# Altium PCB SI24R1遥控器.PcbDoc
Units mil, origin at the board's own origin, x right, y up, seen from the top; angles counter-clockwise.
Board outline 3937 x 3344.8 mil, 2 copper layers (Top Layer, Bottom Layer); 46 components, 39 nets, 207 pads, 29 vias.
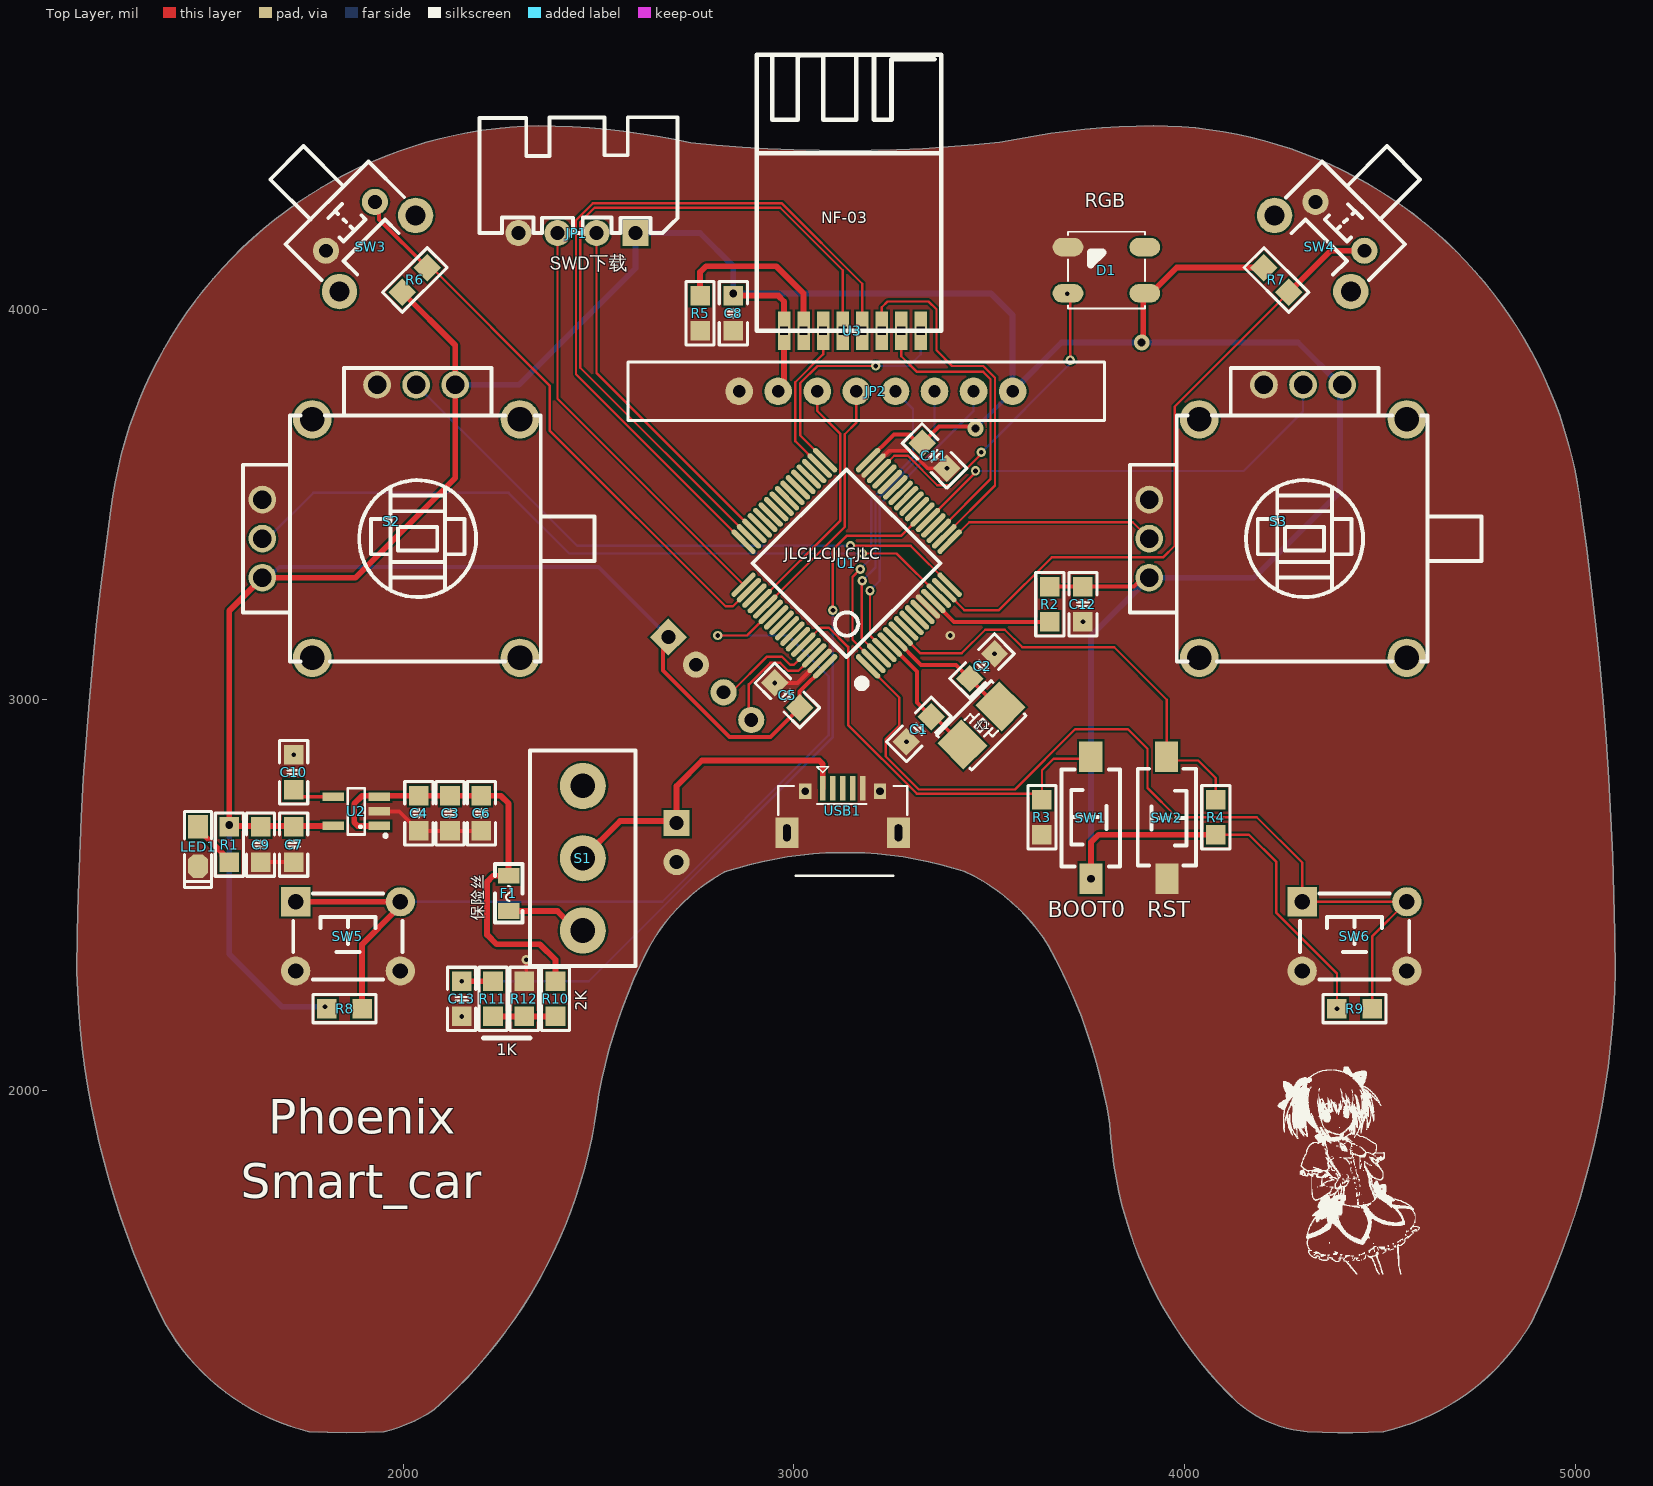
[diagram p0: Top Layer view]
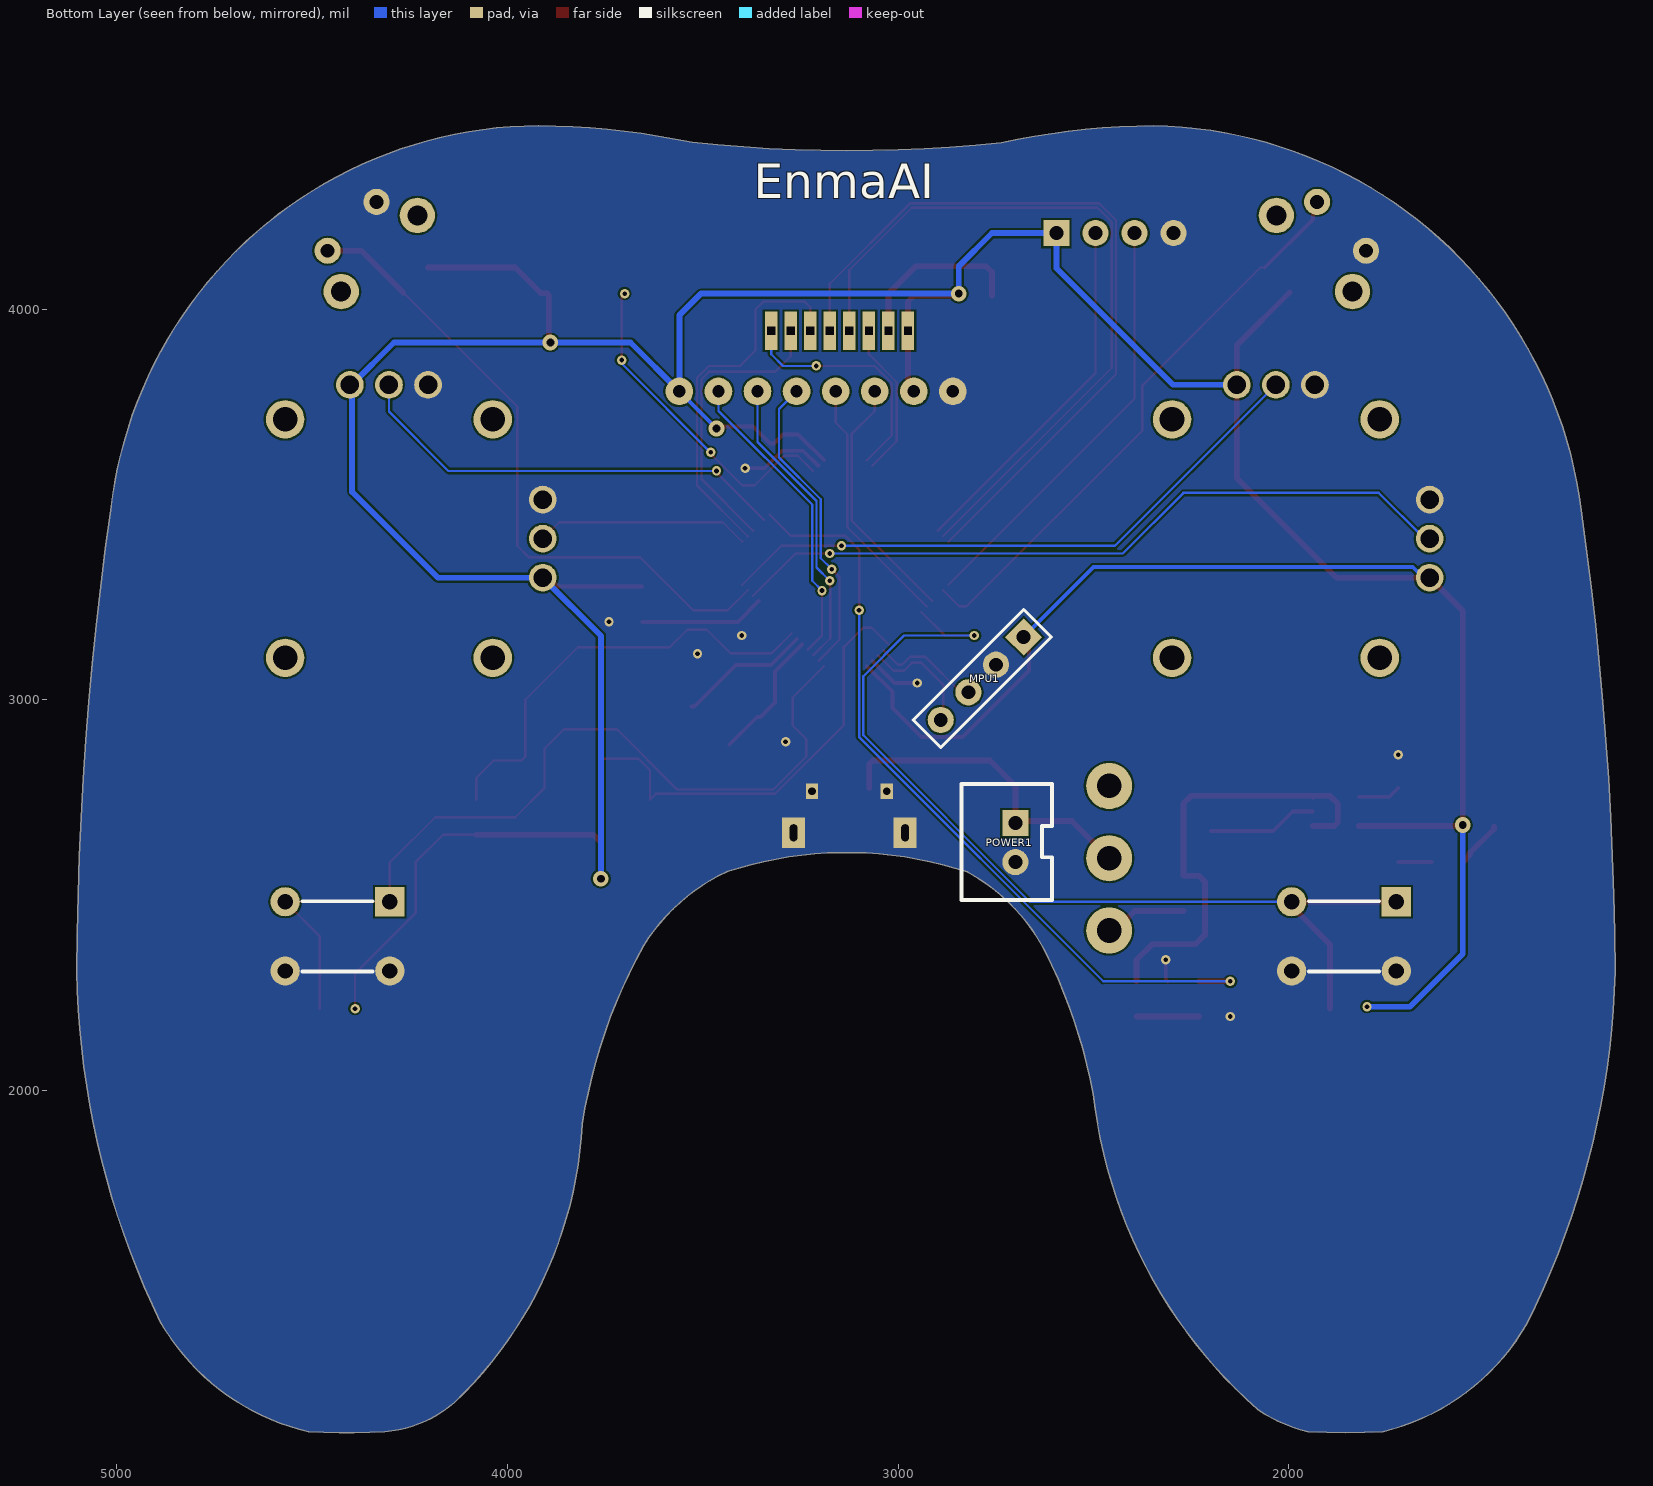
[diagram p1: Bottom Layer view, seen from below]

## Layer stack, top to bottom
Top Solder: solder mask 0.4, Solder Resist, Dk 3.5
Top Layer: signal copper 1.4
Dielectric 1: dielectric 12.6, FR-4, Dk 4.8
Bottom Layer: signal copper 1.4
Bottom Solder: solder mask 0.4, Solder Resist, Dk 3.5

## Board outline
1391.35,1403.01 ccw(c1896.05,1692.9) 1758.26,1127.42 ccw(c1854.72,3093.56) 1951.17,1127.42 ccw(c1858.16,1512.49) 2080.33,1184.51 ccw(c1244.42,2133.09) 2489.78,1914.82 cw(c3809.86,1754.87) 2623.64,2355.76 cw(c3053.63,2134.86) 2824.42,2560.49 2822.89,2560.01 cw(c3131.51,1625.39) 3440.13,2560.01 3438.6,2560.49 cw(c3223.76,2104.73) 3651.2,2371.51 cw(c2447.28,1700.87) 3808.68,1914.82 ccw(c4866.07,1968.48) 4135.45,1202.22 ccw(c4338.85,1437.13) 4313.68,1127.42 ccw(c4411.21,3093.5) 4508.75,1127.42 ccw(c4376.69,1703.01) 4888.5,1408.39 ccw(c2976.27,2337.47) 5102,2304.49 5101.99,2304.49 ccw(c-3410.85,2274.06) 5015.39,3485.6 ccw(c3915.01,3362.63) 3920.9,4469.85 ccw(c3935.61,2507.77) 3527.2,4426.93 cw(c3130.23,8185.49) 2736.09,4426.63 ccw(c2324.92,2497.47) 2346.1,4469.85 ccw(c2365.85,3347.23) 1251.61,3485.59 1251.61,3485.6 ccw(c9946.59,2254.27) 1165,2304.5 1165,2304.49 ccw(c3290.29,2358.97)

## Design rules (kind name [scope] priority, off if disabled: settings)
Clearance [All] p1: gap=5 ignorepadtopadclearanceinfootprint=FALSE
Height [All] p1: minheight=0 maxheight=10000 prefheight=500
HoleSize [All] p1: absolutevalues=TRUE maxlimit=1000 minlimit=1 maxpercent=80.000 minpercent=20.000
HoleToHoleClearance [All] p1: gap=0 allowstackedmicrovias=TRUE
MinimumSolderMaskSliver [All] p1: minsoldermaskwidth=0
PlaneConnect [All] p1: planeconnectstyle=Direct reliefexpansion=20 reliefentries=4 reliefconductorwidth=10 reliefairgap=10
PolygonConnect [All] p1: connectstyle=Direct reliefconductorwidth=10 reliefentries=4 polygonreliefangle="90 Angle" airgapwidth=10
RoutingVias [All] p1: holewidth=12 width=24 viastyle="Through Hole" minholewidth=12 minwidth=24 maxholewidth=50 maxwidth=100
SilkToSilkClearance [All] p1: silktosilkclearance=0
SolderMaskExpansion [All] p1: expansion=4
Width [All] p1: maxlimit=100 minlimit=6 preferedwidth=6
24 further rules are at their usual default settings.

## Components (designator, comment, footprint, x,y, rotation, side; value= is the part's Value field where it differs from the comment)
C1 "18pF" "C 0805_M" 3320,2925 r45 top
C2 "18pF" "C 0805_M" 3481.82,3086.82 r225 top
C3 "100uF" "C 0805_M" 2120,2710 r90 top
C4 "100uF" "C 0805_M" 2040,2710 r90 top
C5 "0.1uF" "C 0805_M" 2983.18,3011.82 r315 top
C6 "22uF" "C 0805_M" 2200,2710 r90 top
C7 "22uF" "C 0805_M" 1720,2630 r90 top
C8 "10uF" "C 0805_M" 2845,3990 r90 top
C9 "10uF" "C 0805_M" 1635,2630 r90 top
C10 "0.1uF" "C 0805_M" 1720,2815 r270 top
C11 "0.1uF" "C 0805_M" 3360,3625 r135 top
C12 "0.1uF" "C 0805_M" 3740,3245 r90 top
C13 "0.1uF" "C 0805_M" 2150,2235 r90 top
D1 "P923D" RGB_LED_5050 3800,4100 r270 top
F1 "1A" "FU 0805" 2270,2505 r90 top
JP1 "HDR-1X4" XH2.54-WI-4P 2445,4195 r180 top
JP2 "HDR-1X8" IPS 2960,3785 r0 top
LED1 "蓝色" "LED 0805B" 1475,2625 r270 top
MPU1 "HDR-1X4" HDR2.54-LI-4P 2785,3055 r315 bottom
POWER1 "" XH2.54-LI-2P 2700,2635 r270 bottom
R1 "Res2" "R 0805_M" 1555,2630 r90 top
R2 "0" "R 0805_M" 3655,3245 r90 top
R3 "10K" "R 0805_M" 3635,2700 r270 top
R4 "10K" "R 0805_M" 4080,2700 r90 top
R5 "0" "R 0805_M" 2760,3990 r270 top
R6 "10K" "R 0805_M" 2030,4075 r45 top
R7 "10K" "R 0805_M" 4235,4075 r315 top
R8 "10K" "R 0805_M" 1850,2210 r0 top
R9 "10K" "R 0805_M" 4435,2210 r0 top
R10 "Res2" "R 0805_M" 2390,2235 r90 top
R11 "Res2" "R 0805_M" 2230,2235 r270 top
R12 "Res2" "R 0805_M" 2310,2235 r270 top
S1 "SS-12F23" SS-12D10 2460,2595.04 r90 top
S2 "摇杆" 3D161摇杆 2045,3440 r180 top
S3 "摇杆" 3D161摇杆 4315,3440 r180 top
SW1 "3x6x5" "TSW SMD-3*6*2.5" 3760,2700 r90 top
SW2 "3x6x5" "TSW SMD-3*6*2.5" 3955,2697.69 r270 top
SW3 "6x6x5" "TSW DIP-6*6*7_V" 1865,4212.37 r225 top
SW4 "6x6x5" "TSW DIP-6*6*7_V" 4397.64,4212.36 r135 top
SW5 "6x6x5" "TSW DIP-6*6*6" 1858.86,2395 r0 top
SW6 "6x6x5" "TSW DIP-6*6*6" 4435,2395 r0 top
U1 "MM32SPIN27PS" "LQFP64 10x10_M" 3135,3350 r45 top
U2 "MIC5219" SOT23-5M 1880,2715 r90 top
U3 "NF-03" NF-03 2970,3995 r0 top
USB1 "USB-5P" USB-MICRO_A 3125,2660 r0 top
X1 "8MHz" "OSC 5032-2P" 3480,2935 r45 top

## Footprints (in the part's own frame and the unit in brackets; to place one, negate y for a bottom-side part, rotate by r counter-clockwise, add the part's x,y. Pads: shape width x height; smd on the part's side, far side on the other; paste and mask are expansions set on the pad)
3D161摇杆 [mm]
  round 1.8 hole 1.2: 1(10.298,3.226) 2(10.298,0.686) 3(10.298,-1.854) 4(2.838,-9.314) 5(0.298,-9.314) 6(-2.242,-9.314)
  round 2.5 hole 1.6 unplated: ""(-6.453,8.436) ""(-6.453,-7.063) ""(7.048,8.436) ""(7.048,-7.063)
  silkscreen extent -11.3,-10.41 11.56,8.69
"C 0805_M" [mil] "无极性贴片电容                                         淘宝ID:黄晶宝石"
  rect 50x50 smd: 1(-45,0) 2(45,0)
  silkscreen extent -81,-36 81,36, body extent -39,-24 39,24, height 20
"FU 0805" [mil] "贴片保险丝"
  rect 40x55 smd: 1(-45,0) 2(45,0)
  silkscreen extent -75,-35 75,35, body extent -39,-24 39,24, height 20
HDR2.54-LI-4P [mm] "排针，4脚"
  rect 1.7x1.7 hole 0.9: 1(-3.81,0)
  round 1.7 hole 0.9: 2(-1.27,0) 3(1.27,0) 4(3.81,0)
  silkscreen extent -5.08,-1.27 5.08,1.27, body extent -5.08,-1.27 5.08,1.27, height 8.5
IPS [mm]
  round 1.8 hole 0.8: 1(-2.54,0.127) 2(0,0.127) 3(2.54,0.127) 4(5.08,0.127) 5(7.62,0.127) 6(10.16,0.127) 7(12.7,0.127) 8(15.24,0.127)
  silkscreen extent -9.78,-1.78 21.21,2.05
"LED 0805B" [mil] "蓝色0805LED                                    淘宝ID:黄晶宝石"
  rect 60x50 smd: 1(-50,0)
  oct 60x50 smd: 2(50,0)
  silkscreen extent -90,-35 105,35, body extent -39,-25 39,25, height 32
"LQFP64 10x10_M" [mm] "64脚，体宽10x10mm，脚距0.5mm         淘宝ID:黄晶宝石"
  oval 0.35x2.1 smd: 1(-3.75,-5.727) 2(-3.25,-5.727) 3(-2.75,-5.727) 4(-2.25,-5.727) 5(-1.75,-5.727) 6(-1.25,-5.727) 7(-0.75,-5.727) 8(-0.25,-5.727) 9(0.25,-5.727) 10(0.75,-5.727) 11(1.25,-5.727) 12(1.75,-5.727) 13(2.25,-5.727) 14(2.75,-5.727) 15(3.25,-5.727) 16(3.75,-5.727) 33(3.75,5.727) 34(3.25,5.727) 35(2.75,5.727) 36(2.25,5.727) 37(1.75,5.727) 38(1.25,5.727) 39(0.75,5.727) 40(0.25,5.727) 41(-0.25,5.727) 42(-0.75,5.727) 43(-1.25,5.727) 44(-1.75,5.727) 45(-2.25,5.727) 46(-2.75,5.727) 47(-3.25,5.727) 48(-3.75,5.727)
  oval 2.1x0.35 smd: 17(5.727,-3.75) 18(5.727,-3.25) 19(5.727,-2.75) 20(5.727,-2.25) 21(5.727,-1.75) 22(5.727,-1.25) 23(5.727,-0.75) 24(5.727,-0.25) 25(5.727,0.25) 26(5.727,0.75) 27(5.727,1.25) 28(5.727,1.75) 29(5.727,2.25) 30(5.727,2.75) 31(5.727,3.25) 32(5.727,3.75) 49(-5.727,3.75) 50(-5.727,3.25) 51(-5.727,2.75) 52(-5.727,2.25) 53(-5.727,1.75) 54(-5.727,1.25) 55(-5.727,0.75) 56(-5.727,0.25) 57(-5.727,-0.25) 58(-5.727,-0.75) 59(-5.727,-1.25) 60(-5.727,-1.75) 61(-5.727,-2.25) 62(-5.727,-2.75) 63(-5.727,-3.25) 64(-5.727,-3.75)
  silkscreen extent -5.08,-6.47 4.32,4.32, body extent -6,-6 6,6, height 1.45
NF-03 [mm]
  rect 0.813x2.5 hole 0.5 square: 1(0.127,-1.27) 2(1.397,-1.27) 3(2.667,-1.27) 4(3.937,-1.27) 5(5.207,-1.27) 6(6.477,-1.27) 7(7.747,-1.27) 8(9.017,-1.27)
  silkscreen extent -1.65,-1.27 10.35,16.66
"OSC 5032-2P" [mm] "5mm*3.2mm*0.8mm(长*宽*高)                  淘宝ID:黄晶宝石"
  rect 2.2x2.4 smd: 1(-1.75,0) 2(1.75,0)
  silkscreen extent -2.5,-1.6 2.5,1.6, body extent -2.5,-1.6 2.5,1.6, height 0.86
"R 0805_M" [mil] "1/8W贴片电阻"
  rect 50x50 smd: 1(-45,0) 2(45,0)
  silkscreen extent -81,-36 81,36, body extent -39,-25 39,25, height 20
RGB_LED_5050 [mm]
  oval 1.2x2 smd: 1(-1.5,-2.5) 2(1.5,-2.5) 3(1.5,2.5) 4(-1.5,2.5)
  silkscreen extent -2.5,-2.5 2.5,2.5, body extent -2.5,-2.7 2.5,2.7, height 1.55
SOT23-5M [mm] "3x1.6x1.1mm(长宽高) 封装库来自淘宝卖家 ID：黄晶宝石"
  rect 0.55x1.4 smd: 1(-0.95,-1.5) 2(0,-1.5) 3(0.95,-1.5) 4(0.95,1.5) 5(-0.95,1.5)
  silkscreen extent -1.66,-1.98 1.5,0.56, body extent -1.5,-1.4 1.5,1.4, height 1.15
SS-12D10 [mm] "脚距3mm      淘宝ID:黄晶宝石"
  round 3 hole 1.6: 1(-4.7,0) 2(0,0) 3(4.7,0)
  silkscreen extent -7,-3.43 7,3.43, body extent -7,-3.1 7,3.1, height 9.65
"TSW DIP-6*6*6" [mm] "6*6*6mm"
  rect 1.9x1.9 hole 1: 1(-3.4,2.25)
  round 1.9 hole 1: 2(-3.4,-2.25) 3(3.4,-2.25) 4(3.4,2.25)
  silkscreen extent -3.56,-2.79 3.56,2.79, body extent -4.11,-3 4.11,3, height 5.95
"TSW DIP-6*6*7_V" [mm] "侧按轻触开关 6*6*7mm           淘宝ID:黄晶宝石"
  round 2.3 hole 1.3: 0(-3.5,2.5) 0(3.5,2.5)
  round 1.7 hole 0.9: 1(-2.25,0) 2(2.25,0)
  silkscreen extent -3.81,-5.84 3.81,2.54, body extent -4.18,-5.72 4.18,4.13, height 7.47
"TSW SMD-3*6*2.5" [mm] "3*6*2.5mm"
  rect 2x1.5 smd: 1(-3.996,-0.02) 2(3.937,0)
  silkscreen extent -3.21,-1.9 3.09,1.9, body extent -4,-1.88 4,1.62, height 2.59
USB-MICRO_A [mm] "micro型USB ，5.7*7.8*2.5mm"
  rect 0.35x1.6 smd: 1(-1.3,2.9) 2(-0.65,2.9) 3(0,2.9) 4(0.65,2.9) 5(1.3,2.9)
  rect 1.5x2 hole 0.5 slot 1.1 at 90 deg: 5(-3.625,0) 5(3.625,0)
  rect 0.8x1 hole 0.5: 5(-2.425,2.71) 5(2.425,2.71)
  silkscreen extent -4.19,-2.79 4.19,4.3, body extent -4,-2.71 4,2.89, height 2.8
XH2.54-LI-2P [mm] "接插件，2P  淘宝ID:黄晶宝石   店铺网址:https://shop463601444.taobao.com"
  rect 1.7x1.7 hole 0.9: 1(-1.27,0)
  round 1.7 hole 0.9: 2(1.27,0)
  silkscreen extent -3.81,-3.51 3.74,2.37, body extent -3.77,-3.3 3.77,2.4, height 7.05
XH2.54-WI-4P [mm] "接插件，4P"
  rect 1.7x1.7 hole 0.9: 1(-3.81,0)
  round 1.7 hole 0.9: 2(-1.27,0) 3(1.27,0) 4(3.81,0)
  silkscreen extent -6.53,-7.53 6.35,0, body extent -6.31,-7.35 6.31,0.35, height 5.73

## Part data
C1 C2 C3 C4 C5 C6 C7 C8 C9 C10 C11 C12 C13: library part C, "贴片电容"
F1: library part FU, "贴片保险丝"
JP1 MPU1: library part "Header 4", "4P接插件"
JP2: library part "Header 8", "8P接插件", BOM名称=8P接, 学习资源=https://shop463601444.taobao., 版权归属=封装库来自淘
LED1: library part LED-SMD, "贴片LED"
POWER1: library part T槽
R1 R10 R11 R12: "Resistor"
R2 R3 R4 R5 R6 R7 R8 R9: library part RES, =0R
S1: library part SSW-1P, "1路波动开关"
SW1 SW2: library part "TSW 3x6", "3x6轻触开关"
SW3 SW4: library part "TSW DIP-6x6_V", "侧按直插6x6轻触开关"
SW5 SW6: library part "TSW DIP-6x6", "直插6x6轻触开关"
USB1: "微型USB母座"
X1: library part XTAL-2P, "2脚无源脚晶振"
D1: PackageReference=RGB_LED_5050, Published=8-August-2017, Publisher=mazhongwei

## Via types
v1: diameter 24, hole 12, Top Layer to Bottom Layer, tented both sides, 24 vias
v2: diameter 40, hole 20, Top Layer to Bottom Layer, tented both sides, 5 vias

## Nets (pads, with @x,y where several pads share a name; then routed paths per layer and width w, separated by ;. In a path a pad name is that pad's centre, name@x,y a point inside that pad or via, vN(x,y) a via of type N, cw(c..) or ccw(c..) an arc to the next point about the centre after c; other vN are vias at no path point)
ADC_IN1: S2.2 U1.14 | length 1888.8
  Top Layer w6: v1(3175,3375) 3263.11,3375 U1.14
  Bottom Layer w6: S2.2 1652.99,3412.99 1770,3530 2270,3530 2425,3375 v1(3175,3375)
ADC_IN2: S2.5 U1.16 | length 1577.5
  Top Layer w6: v1(3145,3395) 3298.79,3395 U1.16
  Bottom Layer w6: S2.5 2444.97,3395 v1(3145,3395)
ADC_IN3: S3.2 U1.17 | length 548.8
  Top Layer w6: U1.17 3448.79,3455 3867.56,3455 S3.2
ADC_IN4: S3.5 U1.21 | length 1149.4
  Top Layer w6: U1.21 3465,3582.56 v1(3465,3586.28) v1@3465,3590
  Bottom Layer w6: v1(3465,3586.28) 4151.28,3586.28 4303.27,3738.27 S3.5
BOOT0: R3.1 SW1.2 U1.60 | length 1142.5
  Top Layer w6: U1.60 3067.44,3185 3090,3185 3139,3136 3139,2936 3315,2760 3620,2760 R3.1 3635,2820 3665,2850 3755,2850 SW1.2
GND: C1.1 C2.1 C3.1 C4.1 C5.1 C6.1 C7.1 C8.1 C9.1 C10.1 C11.1 C12.1 C13.1 D1.1 JP1.4 JP2.1 LED1.2 MPU1.2 POWER1.2 R3.2 R5.2 R12.1 S2.3 S2.4 S3.3 S3.4 SW2.2 SW3.2 SW4.2 SW5.2 SW5.3 SW6.2 SW6.3 U1.12 U1.31 U1.63 U2.2 USB1.5 | length 784
  Top Layer w10: C9.1 C7.1 ; U2.2 1990,2715 C4.1 C6.1 ; R12.1 2315,2285 v1(2315,2335) ; v1(2951.36,3043.64) 3009.59,3043.64 U1.63 ; U1.31 3204.98,3599.91 3243.07,3638 3297.5,3638 3342.32,3593.18 v1(3391.82,3593.18)
  other v1: 2150,2190 1720,2860 3288.18,2893.18 3513.64,3118.64 3400,3165 3740,3200
KEY1: R6.2 SW3.1 U1.50 | length 1490.5
  Top Layer w6: R6.2 2073.18,4106.82 2375,3805 2375,3690 2825,3240 2844.05,3240 U1.50
  Top Layer w10: SW3.1 1938.53,4264.12 1938.53,4230.11 R6.2
KEY2: R7.2 SW4.1 U1.15 | length 1686.2
  Top Layer w6: U1.15 3435.95,3230 3525,3230 3660,3365 3945,3365 3975,3395 3975,3751.36 R7.2
  Top Layer w15: R7.2 4373.36,4149.73 SW4.1
KEY3: R8.2 SW5.1 SW5.4 U1.54 | length 2493.8
  Top Layer w6: v1(2805,3165) 2880.4,3165 U1.54
  Top Layer w15: SW5.1 SW5.4 1981.27,2472.14 1981.27,2461.27 1895,2375 R8.2
  Bottom Layer w6: SW5.4 2663.03,2483.58 3089,2909.56 3089,3061 2985,3165 v1(2805,3165)
KEY4: R9.2 SW6.1 SW6.4 U1.1 | length 2321.5
  Top Layer w6: U1.1 3270,3006.21 3270,2935 3235,2900 3235,2855.56 3319.56,2771 3566,2771 3720,2925 3855,2925 3905,2875 3905,2775 3980,2700 4185,2700 4301.14,2583.86 SW6.1 SW6.4 4480,2394.72 R9.2
M3V3: C5.2 C7.2 C8.2 C9.2 C11.2 C12.2 D1.3 JP1.1 JP2.2 JP2.8 MPU1.1 R1.2 R2.2 R4.1 R6.1 R7.1 R8.1 R9.1 S2.1 S2.6 S3.1 S3.6 SW1.1 U1.32 U1.64 U2.5 U3.1 | length 11698.6
  Top Layer w6: R4.1 4165,2655 4235,2585 4235,2455 4390,2300 v1(4390,2210)
  Top Layer w10: MPU1.1 2665,3147.13 2665,3075 2835,2905 2940,2905 C5.2 3015,3021.21 U1.64 ; U1.32 3256.21,3680 3295,3680 3318.18,3656.82 C11.2 3371.36,3700 v2@3465,3700 ; R2.2 C12.2 3870.11,3290 3893.1,3312.99 S3.1
  Top Layer w15: U2.5 1557.6,2677.6 R1.2 1555,3228.42 S2.1 1877.99,3312.99 2133.27,3568.27 S2.6 2133.27,3908.09 R6.1 ; C8.2 2960,4035 2975,4020 U3.1 2975,3805 JP2.2 ; v2(3760.79,2542.69) 3760.79,2635.79 3780,2655 R4.1 ; v2(3890,3915) 3894.21,3919.21 3894.21,4036.73 D1.3 3914.17,4040.94 3980.05,4106.82 R7.1
  Bottom Layer w10: S2.1 1656.04,3312.99 1683.05,3340 2500,3340 MPU1.1 ; v2(3465,3695) JP2.8
  Bottom Layer w15: v2(1555,2680) 1555,2350 1690,2215 v1(1800,2215) ; S2.6 2296.69,3806.69 2595,4105 JP1.1 2760,4195 2845,4110 v2(2845,4040) 3505,4040 3560,3985 JP2.8 3685,3915 v2(3890,3915) 4290.25,3915 4398.56,3806.69 S3.6 4397.5,3800.92 4397.5,3532.5 4177.99,3312.99 S3.1 3760.79,3164.21 v2(3760.79,2542.69)
NetC10_2: C10.2 U2.4 | length 110.3
  Top Layer w10: C10.2@1720,2775 1742.6,2752.4 U2.4
NetF1_1: F1.1 S1.1 | length 210.7
  Top Layer w15: F1.1 2394.66,2460 2444.66,2410 S1.1
NetLED1_1: LED1.1 R1.1 | length 123.1
  Top Layer w15: LED1.1 1475,2670 1537.5,2607.5 1537.5,2602.5 R1.1
NetR2_1: R2.1 U1.13 | length 320
  Top Layer w10: U1.13 3410.27,3200 R2.1
NetR5_1: R5.1 U3.2 | length 455.2
  Top Layer w15: R5.1 2760,4095 2775,4110 2955,4110 3025,4040 U3.2
NetR10_1: R10.1 R11.2 R12.2 | length 160
  Top Layer w15: R11.2 R10.1
NF_CE: U1.34 U3.3 | length 400.7
  Top Layer w6: U1.34 3003.43,3662.52 3003.43,3813.43 3075,3885 U3.3
NF_CS: U1.47 U3.4 | length 1891.2
  Top Layer w6: U1.47 2453.54,3850.51 2453.54,4223.54 2490,4260 2965,4260 3125,4100 U3.4
NF_IRQ: U1.33 U3.8 | length 622.5
  Top Layer w6: U1.33 3016.57,3677.22 3016.57,3811.01 3060.56,3855 v1(3210,3855)
  Bottom Layer w6: v1(3210,3855) 3295,3855 3325,3885 U3.8
NF_SCL: U1.48 U3.5 | length 1956.5
  Top Layer w6: U1.48 2442.54,3833.67 2442.54,4228.09 2485.44,4271 2969.56,4271 3175,4065.56 U3.5
NF_SDI: U1.18 U3.6 | length 958.4
  Top Layer w6: U3.6 3225,4005 3240,4020 3345,4020 3365,4000 3365,3895 3405,3855 3485,3855 3515,3825 3515,3549.05 U1.18
NF_SDO: U1.19 U3.7 | length 760.9
  Top Layer w6: U3.7 3275,3880 3315.28,3839.72 3484.72,3839.72 3503.43,3821.01 3503.43,3565.32 U1.19
nRST: R4.2 SW2.1 U1.7 | length 1149.7
  Top Layer w6: U1.7 3323.24,3120 3430,3120 3490,3180 3540,3180 3585,3135 3820,3135 3954.21,3000.79 SW2.1 3964.21,2845 4035,2845 4080,2800 R4.2
OLED_CS: JP2.7 U1.4 | length 787.1
  Top Layer w6: v1(3195,3280) 3195,3164.73 U1.4
  Bottom Layer w6: v1(3195,3280) 3220,3305 3220,3500 3460,3740 JP2.7
OLED_DC: JP2.6 U1.3 | length 771.2
  Top Layer w6: v1(3175,3305) 3174,3304 3174,3157.89 U1.3
  Bottom Layer w6: v1(3175,3305) 3209,3339 3209,3509 3360,3660 JP2.6
OLED_RES: JP2.5 U1.2 | length 795.1
  Top Layer w6: v1(3170,3335) 3150,3315 3150,3154.05 U1.2
  Bottom Layer w6: v1(3170,3335) 3198,3363 3198,3513.56 3305,3620.56 3305,3745 JP2.5
OLED_SCL: JP2.3 U1.52 | length 646.8
  Top Layer w6: U1.52 3119.21,3459.49 3119.21,3680.79 3060,3740 JP2.3
OLED_SDA: JP2.4 U1.53 | length 647.3
  Top Layer w6: U1.53 3130.21,3442.65 3130.21,3680.21 3160,3710 JP2.4
OSC_IN: C1.2 U1.5 X1.1 | length 337.7
  Top Layer w10: U1.5 3315,3072.56 3315,2993.64 C1.2 3360.74,2956.82 X1.1
OSC_OUT: C2.2 U1.6 X1.2 | length 340.3
  Top Layer w10: U1.6 3325.4,3090 3415,3090 C2.2 3521.28,2983.72 X1.2
POWER_IN: C13.2 R11.1 U1.22 | length 2035.2
  Top Layer w6: v1(3100,3230) 3100,3385 3135,3420 3274.6,3420 U1.22
  Top Layer w15: v1(2150,2280) R11.1
  Bottom Layer w6: v1(2150,2280) 2475,2280 3100,2905 v1(3100,3230)
RGBLED: D1.2 U1.30 | length 852.5
  Top Layer w6: U1.30 3256.89,3625 3292.12,3625 3367.29,3549.82 3399.82,3549.82 3480,3630 v1(3480,3633.75) ; v1(3700,4040) 3707.5,4032.5 v1(3707.5,3870)
  Bottom Layer w6: v1(3480,3633.75) 3707.5,3861.25 v1(3707.5,3870) v1@3710,3870
SCL: MPU1.3 U1.61 | length 280.1
  Top Layer w6: MPU1.3 2839.64,3019.64 2931,3111 2969,3111 2990,3090 3000.27,3090 U1.61
SDA: MPU1.4 U1.62 | length 307.9
  Top Layer w6: MPU1.4 2885,2955 2885,3040 2940,3095 2965,3095 2985,3075 3011.94,3075 3050.95,3114.01 U1.62
SWCLK: JP1.3 U1.49 | length 1097.3
  Top Layer w6: JP1.3 2395,3771.13 U1.49
SWDIO: JP1.2 U1.46 | length 929.5
  Top Layer w6: JP1.2 2495,3836.89 U1.46
VCC: POWER1.1 S1.2 USB1.1 | length 842.8
  Top Layer w15: S1.2 2554.96,2690 2695,2690 POWER1.1 2700,2780 2765,2845 3065.03,2845 3073.82,2836.21 USB1.1
VCC_IN: C3.2 C4.2 C6.2 F1.2 R10.2 U2.1 U2.3 | length 1168.9
  Top Layer w15: U2.1 1883.79,2677.6 1875,2686.39 1875,2735 1895,2755 1936.46,2755 U2.3 1941.65,2755 C4.2 C3.2 C6.2 2250,2755 2270,2735 F1.2 2230,2550 2215,2535 2215,2398.79 2238.79,2375 2350,2375 2390,2335 R10.2
pads on no net: D1.4 S1.3 S2. S3. SW3.0 SW4.0 U1.8 U1.9 U1.10 U1.11 U1.20 U1.23 U1.24 U1.25 U1.26 U1.27 U1.28 U1.29 U1.35 U1.36 U1.37 U1.38 U1.39 U1.40 U1.41 U1.42 U1.43 U1.44 U1.45 U1.51 U1.55 U1.56 U1.57 U1.58 U1.59 USB1.2 USB1.3 USB1.4

## Polygon pours and split planes (outlines as drawn)
GND on Bottom Layer (solid, remove dead copper, pour order 2): 1391.35,1403.01 ccw(c1896.05,1692.9) 1758.26,1127.42 ccw(c1854.72,3093.56) 1951.17,1127.42 ccw(c1858.16,1512.49) 2080.33,1184.51 ccw(c1244.42,2133.09) 2489.78,1914.82 cw(c3809.86,1754.87) 2623.64,2355.76 cw(c3053.63,2134.86) 2824.42,2560.49 2822.89,2560.01 cw(c3131.51,1625.39) 3440.13,2560.01 3438.6,2560.49 cw(c3223.76,2104.73) 3651.2,2371.51 cw(c2447.28,1700.87) 3808.68,1914.82 ccw(c4866.07,1968.48) 4135.45,1202.22 ccw(c4338.85,1437.13) 4313.68,1127.42 ccw(c4411.21,3093.5) 4508.75,1127.42 ccw(c4376.69,1703.01) 4888.5,1408.39 ccw(c2976.27,2337.47) 5102,2304.49 5101.99,2304.49 ccw(c-3410.85,2274.06) 5015.39,3485.6 ccw(c3915.01,3362.63) 3920.9,4469.85 ccw(c3935.61,2507.77) 3527.2,4426.93 cw(c3130.23,8185.49) 2736.09,4426.63 ccw(c2324.92,2497.47) 2346.1,4469.85 ccw(c2365.85,3347.23) 1251.61,3485.59 1251.61,3485.6 ccw(c9946.59,2254.27) 1165,2304.5 1165,2304.49 ccw(c3290.29,2358.97)
GND on Top Layer (solid, pour order 0): 1391.35,1403.01 ccw(c1896.05,1692.9) 1758.26,1127.42 ccw(c1854.72,3093.56) 1951.17,1127.42 ccw(c1858.16,1512.49) 2080.33,1184.51 ccw(c1244.42,2133.09) 2489.78,1914.82 cw(c3809.86,1754.87) 2623.64,2355.76 cw(c3053.63,2134.86) 2824.42,2560.49 2822.89,2560.01 cw(c3131.51,1625.39) 3440.13,2560.01 3438.6,2560.49 cw(c3223.76,2104.73) 3651.2,2371.51 cw(c2447.28,1700.87) 3808.68,1914.82 ccw(c4866.07,1968.48) 4135.45,1202.22 ccw(c4338.85,1437.13) 4313.68,1127.42 ccw(c4411.21,3093.5) 4508.75,1127.42 ccw(c4376.69,1703.01) 4888.5,1408.39 ccw(c2976.27,2337.47) 5102,2304.49 5101.99,2304.49 ccw(c-3410.85,2274.06) 5015.39,3485.6 ccw(c3915.01,3362.63) 3920.9,4469.85 ccw(c3935.61,2507.77) 3527.2,4426.93 cw(c3130.23,8185.49) 2736.09,4426.63 ccw(c2324.92,2497.47) 2346.1,4469.85 ccw(c2365.85,3347.23) 1251.61,3485.59 1251.61,3485.6 ccw(c9946.59,2254.27) 1165,2304.5 1165,2304.49 ccw(c3290.29,2358.97)

## Silkscreen, mask and mechanical layers (free items; w line width, h text height)
Top Overlay:
  drawing of 5340 lines, arcs and shapes, not listed
  text "RGB" at 3745,4250 h60
  text "NF-03" at 3070,4210 h50
  text "SWD下载" at 2375,4090 h60
  text "JLCJLCJLCJLC" at 2975,3350 h50
  text "保险丝" at 2215,2435 h50 r90
  text "BOOT0" at 3650,2430 h70
  text "RST" at 3905,2430 h70
  text "2K" at 2480,2205 h50 r90
  text "1K" at 2240,2080 h50
  text "Phoenix" at 1655,1860 h150
  text "Smart_car" at 1585,1695 h150
Bottom Overlay:
  text "EnmaAI" at 3370,4255 h150
Mechanical 1:
  lines w10: 2822.89,2560.01 cw(c3131.51,1625.39) 3440.13,2560.01 ; 2824.42,2560.49 ccw(c3053.63,2134.86) 2623.64,2355.77 ccw(c3809.86,1754.87) 2489.78,1914.82 cw(c1244.42,2133.09) 2080.33,1184.51 cw(c1858.16,1512.49) 1951.17,1127.42 cw(c1854.72,3093.56) 1758.26,1127.42 cw(c1896.05,1692.9) 1391.35,1403.01 cw(c3290.29,2358.97) 1165,2304.49 cw(c9946.59,2254.27) 1251.61,3485.6 cw(c2365.85,3347.23) 2346.1,4469.85 cw(c2324.92,2497.47) 2736.09,4426.63 ccw(c3130.23,8185.49) 3527.2,4426.93 cw(c3935.61,2507.77) 3920.9,4469.85 cw(c3915.01,3362.63) 5015.39,3485.6 cw(c-3410.85,2274.06) 5101.99,2304.49 cw(c2976.27,2337.47) 4888.5,1408.39 cw(c4376.69,1703.01) 4508.75,1127.42 cw(c4411.21,3093.5) 4313.68,1127.42 cw(c4338.85,1437.13) 4135.45,1202.22 cw(c4866.07,1968.48) 3808.68,1914.82 ccw(c2447.28,1700.87) 3651.2,2371.51 ccw(c3223.76,2104.73) 3438.6,2560.49